# KiCad board armory.kicad_pcb (continued)
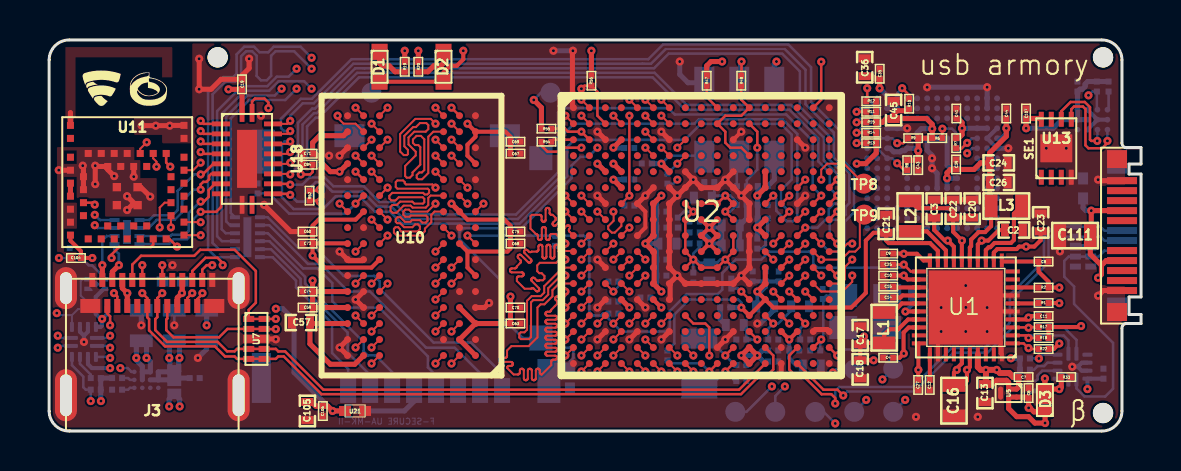
[diagram p0: board, top side]
## Routing (per net, layer and track width the routed paths; a pad name or vN(x,y) marks a point on that pad's centre or on a via; arc(x,y) is an arc through that point) (continued)
/DDR/DRAM_A9: length 34
  TOP w0.1: 19.22,15.38 v1(19.33,15.38) 19.09,15.62 18.32,15.62 17.56,14.86 17.56,13.99 17.74,13.81 17.9,13.81 17.95,13.86 17.95,14.07 17.77,14.25 17.77,14.77 18.21,15.21 18.35,15.21 18.55,15.41 18.87,15.41 18.97,15.31 18.97,15.11 18.84,14.98 18.27,14.98 17.98,14.69 17.98,14.34 18.34,13.98 18.34,13.79 17.81,13.26 17.81,12.76 17.89,12.68 18.05,12.68 18.18,12.81 18.18,12.94 18.57,13.33 18.57,14.21 18.47,14.31 18.31,14.31 18.2,14.42 18.2,14.59 18.38,14.77 18.6,14.77 18.77,14.6 18.77,13.06 18.65,12.94 18.52,12.94 18.39,12.81 18.39,12.67 18.46,12.6 18.66,12.6 18.97,12.91 18.97,14.73 19.22,14.98 U10.R3 ; U2.L2 v1(26.63,7.78)
  SIGNAL_2 w0.1: v1(19.33,15.38) U10.R3 22.67,14.98 22.8,14.85 22.8,13.34 24.08,12.06 24.08,11.4 25.27,10.21 27.01,10.21 27.41,9.81 27.41,9.02 27.49,8.94 27.58,8.94 27.79,8.73 27.79,8.41 27.58,8.2 27.13,8.2 26.71,7.78 v1(26.63,7.78)
/DDR/DRAM_A10: length 34
  TOP w0.1: U2.M4 v1(29.03,6.98) ; v1(16.93,12.18) U10.L7
  SIGNAL_2 w0.1: v1(16.93,12.18) 16.81,12.06 14.68,12.06 14.13,11.51 14.13,5.54 15.02,4.65 15.36,4.65 15.73,4.28 15.73,4.08 16.03,3.78 16.48,3.78 17.45,2.81 25.94,2.81 26.51,3.38 27.03,3.38 27.04,3.38 27.05,3.38 27.06,3.39 27.06,3.4 27.07,3.41 27.07,3.42 27.08,3.44 27.08,3.45 27.09,3.46 27.09,3.47 27.1,3.48 27.11,3.48 27.12,3.48 27.22,3.48 27.24,3.48 27.25,3.48 27.26,3.47 27.26,3.46 27.27,3.45 27.27,3.44 27.28,3.42 27.28,3.41 27.29,3.4 27.29,3.39 27.3,3.38 27.31,3.38 27.33,3.38 27.58,3.38 27.6,3.38 27.61,3.39 27.62,3.4 27.63,3.41 27.64,3.42 27.65,3.43 27.65,3.47 27.66,3.48 27.67,3.49 27.68,3.5 27.69,3.51 27.7,3.52 27.72,3.52 27.78,3.52 27.8,3.52 27.81,3.51 27.82,3.5 27.83,3.49 27.84,3.48 27.85,3.47 27.85,3.45 27.85,3.19 27.85,3.17 27.86,3.15 27.87,3.13 27.89,3.11 27.91,3.1 27.93,3.09 27.95,3.09 27.97,3.09 27.99,3.1 28.01,3.11 28.03,3.13 28.04,3.15 28.05,3.17 28.05,3.19 28.05,3.28 28.05,3.3 28.06,3.32 28.07,3.34 28.09,3.36 28.11,3.37 28.13,3.38 28.15,3.38 28.17,3.38 28.19,3.37 28.21,3.36 28.23,3.34 28.24,3.32 28.25,3.3 28.25,3.28 28.25,3.19 28.25,3.17 28.26,3.15 28.27,3.13 28.29,3.11 28.31,3.1 28.33,3.09 28.35,3.09 28.37,3.09 28.39,3.1 28.41,3.11 28.43,3.13 28.44,3.15 28.45,3.17 28.45,3.19 28.45,3.45 28.45,3.47 28.46,3.48 28.47,3.49 28.48,3.5 28.49,3.51 28.5,3.52 28.52,3.52 28.58,3.52 28.6,3.52 28.61,3.51 28.62,3.5 28.63,3.49 28.64,3.48 28.65,3.47 28.65,3.45 28.65,3.33 28.65,3.32 28.65,3.31 28.66,3.3 28.67,3.29 28.68,3.28 28.69,3.28 28.7,3.28 28.8,3.28 28.81,3.28 28.82,3.28 28.83,3.29 28.84,3.3 28.85,3.31 28.85,3.32 28.85,3.33 28.85,3.57 28.85,3.59 28.86,3.61 28.87,3.63 28.89,3.65 28.91,3.66 28.93,3.67 28.95,3.67 28.97,3.67 28.99,3.66 29.01,3.65 29.03,3.63 29.04,3.61 29.05,3.59 29.05,3.57 29.05,3.48 29.05,3.46 29.06,3.44 29.07,3.42 29.09,3.4 29.11,3.39 29.13,3.38 29.15,3.38 29.37,3.38 29.43,3.44 29.43,3.94 29.43,3.96 29.44,3.98 29.45,3.99 29.47,4.01 29.48,4.02 29.5,4.03 29.55,4.03 29.57,4.04 29.58,4.05 29.6,4.07 29.61,4.08 29.62,4.1 29.62,4.12 29.62,4.14 29.62,4.16 29.61,4.18 29.6,4.19 29.58,4.21 29.57,4.22 29.55,4.23 29.52,4.23 29.38,4.23 29.37,4.23 29.36,4.23 29.35,4.24 29.34,4.25 29.33,4.26 29.33,4.27 29.33,4.28 29.33,4.38 29.33,4.39 29.33,4.4 29.34,4.41 29.35,4.42 29.36,4.43 29.37,4.43 29.39,4.43 29.4,4.43 29.41,4.44 29.42,4.45 29.43,4.46 29.43,4.47 29.43,4.48 29.43,4.74 29.43,4.76 29.44,4.78 29.45,4.79 29.47,4.81 29.48,4.82 29.5,4.83 29.55,4.83 29.57,4.84 29.58,4.85 29.6,4.87 29.61,4.88 29.62,4.9 29.62,4.92 29.62,4.94 29.62,4.96 29.61,4.98 29.6,4.99 29.58,5.01 29.57,5.02 29.55,5.03 29.52,5.03 29.38,5.03 29.37,5.03 29.36,5.03 29.35,5.04 29.34,5.05 29.33,5.06 29.33,5.07 29.33,5.08 29.33,5.18 29.33,5.19 29.33,5.2 29.34,5.21 29.35,5.22 29.36,5.23 29.37,5.23 29.39,5.23 29.4,5.23 29.41,5.24 29.42,5.25 29.43,5.26 29.43,5.27 29.43,5.28 29.43,5.54 29.43,5.56 29.44,5.58 29.45,5.59 29.47,5.61 29.48,5.62 29.5,5.63 29.55,5.63 29.57,5.64 29.58,5.65 29.6,5.67 29.61,5.68 29.62,5.7 29.62,5.72 29.62,5.74 29.62,5.76 29.61,5.78 29.6,5.79 29.58,5.81 29.57,5.82 29.55,5.83 29.52,5.83 29.38,5.83 29.37,5.83 29.36,5.83 29.35,5.84 29.34,5.85 29.33,5.86 29.33,5.87 29.33,5.88 29.33,5.98 29.33,5.99 29.33,6 29.34,6.01 29.35,6.02 29.36,6.03 29.37,6.03 29.39,6.03 29.4,6.03 29.41,6.04 29.42,6.05 29.43,6.06 29.43,6.07 29.43,6.08 29.43,6.28 29.43,6.29 29.43,6.3 29.42,6.31 29.41,6.32 29.4,6.33 29.39,6.33 29.37,6.33 29.36,6.33 29.35,6.34 29.34,6.35 29.33,6.36 29.33,6.37 29.33,6.38 29.33,6.48 29.33,6.49 29.33,6.5 29.34,6.51 29.35,6.52 29.36,6.53 29.37,6.53 29.39,6.53 29.4,6.53 29.41,6.54 29.42,6.55 29.43,6.56 29.43,6.57 29.43,6.58 v1(29.03,6.98)
/DDR/DRAM_A11: length 34
  TOP w0.1: v1(28.23,9.38) U2.K3 ; U10.R7 v1(16.13,15.38)
  SIGNAL_2 w0.1: v1(28.23,9.38) 28.23,10.19 28.33,10.29 28.63,10.29 28.77,10.43 28.77,11.14 28.34,11.57 28.34,11.83 27.83,12.34 27.83,12.53 27.83,12.55 27.82,12.57 27.81,12.59 27.79,12.61 27.77,12.62 27.75,12.63 27.73,12.63 27.58,12.63 27.56,12.63 27.54,12.64 27.52,12.65 27.5,12.67 27.49,12.69 27.48,12.71 27.48,12.73 27.48,12.75 27.49,12.77 27.5,12.79 27.52,12.81 27.54,12.82 27.56,12.83 27.58,12.83 27.93,12.83 27.95,12.83 27.97,12.84 27.99,12.85 28.01,12.87 28.02,12.89 28.03,12.91 28.03,12.93 28.03,12.95 28.02,12.97 28.01,12.99 27.99,13.01 27.97,13.02 27.95,13.03 27.93,13.03 27.78,13.03 27.77,13.03 27.76,13.03 27.75,13.04 27.74,13.05 27.73,13.06 27.73,13.07 27.73,13.08 27.73,13.18 27.73,13.19 27.73,13.2 27.74,13.21 27.75,13.22 27.76,13.23 27.77,13.23 27.79,13.23 27.8,13.23 27.81,13.24 27.82,13.25 27.83,13.26 27.83,13.27 27.83,13.28 27.83,13.53 27.83,13.55 27.84,13.57 27.85,13.59 27.87,13.61 27.89,13.62 27.91,13.63 27.95,13.63 27.97,13.64 27.99,13.65 28.01,13.67 28.02,13.69 28.03,13.71 28.03,13.73 28.03,13.75 28.02,13.77 28.01,13.79 27.99,13.81 27.97,13.82 27.95,13.83 27.93,13.83 27.78,13.83 27.77,13.83 27.76,13.83 27.75,13.84 27.74,13.85 27.73,13.86 27.73,13.87 27.73,13.88 27.73,13.98 27.73,13.99 27.73,14 27.74,14.01 27.75,14.02 27.76,14.03 27.77,14.03 27.79,14.03 27.8,14.03 27.81,14.04 27.82,14.05 27.83,14.06 27.83,14.07 27.83,14.08 27.83,14.29 27.88,14.34 27.89,14.34 27.9,14.34 27.91,14.35 27.92,14.36 27.93,14.37 27.93,14.38 27.93,14.39 27.93,14.49 27.93,14.5 27.93,14.51 27.92,14.52 27.91,14.53 27.9,14.54 27.89,14.54 27.88,14.54 27.74,14.54 27.72,14.54 27.7,14.55 27.68,14.56 27.67,14.57 27.66,14.59 27.65,14.61 27.65,14.63 27.65,14.65 27.65,14.67 27.66,14.69 27.67,14.71 27.68,14.72 27.7,14.73 27.72,14.74 27.74,14.74 27.96,14.74 27.99,14.74 28.01,14.75 28.03,14.76 28.04,14.78 28.05,14.8 28.06,14.82 28.06,14.84 28.06,14.86 28.05,14.88 28.04,14.9 28.03,14.92 28.01,14.93 27.99,14.94 27.96,14.94 27.93,14.94 27.91,14.94 27.89,14.95 27.87,14.96 27.85,14.98 27.84,15 27.83,15.02 27.83,15.04 27.83,15.06 27.84,15.08 27.85,15.1 27.87,15.12 27.89,15.13 27.91,15.14 27.93,15.14 27.96,15.14 27.99,15.14 28.01,15.15 28.03,15.16 28.04,15.18 28.05,15.2 28.06,15.22 28.06,15.24 28.06,15.26 28.05,15.28 28.04,15.3 28.03,15.32 28.01,15.33 27.99,15.34 27.96,15.34 27.74,15.34 27.72,15.34 27.7,15.35 27.68,15.36 27.67,15.37 27.66,15.39 27.65,15.41 27.65,15.43 27.65,15.45 27.65,15.47 27.66,15.49 27.67,15.51 27.68,15.52 27.7,15.53 27.72,15.54 27.76,15.54 27.78,15.55 27.8,15.56 27.81,15.57 27.82,15.59 27.83,15.61 27.83,15.63 27.83,15.94 27.84,15.96 27.85,15.98 27.86,16 27.86,16.02 27.85,16.04 27.84,16.06 27.83,16.08 27.52,16.39 27.51,16.41 27.5,16.43 27.49,16.45 27.49,16.47 27.5,16.49 27.51,16.51 27.52,16.53 27.54,16.54 27.56,16.55 27.58,16.56 27.61,16.56 27.63,16.55 27.65,16.54 27.66,16.53 27.97,16.22 27.99,16.21 28.01,16.2 28.03,16.19 28.05,16.19 28.08,16.2 28.1,16.21 28.11,16.22 28.35,16.22 28.46,16.33 28.46,17.07 28.65,17.26 29.26,17.26 29.54,17.54 29.54,17.85 29.4,17.99 29.38,17.99 29.36,17.98 29.34,17.97 29.32,17.95 29.31,17.93 29.3,17.91 29.3,17.89 29.3,17.7 29.3,17.68 29.29,17.65 29.28,17.64 29.26,17.62 29.24,17.61 29.22,17.6 29.2,17.6 29.18,17.6 29.16,17.61 29.14,17.62 29.12,17.64 29.11,17.65 29.1,17.68 29.1,17.7 29.1,17.89 29.1,17.91 29.09,17.93 29.08,17.95 29.06,17.97 29.04,17.98 29.02,17.99 29,17.99 15.16,17.99 14.99,17.82 14.99,16.72 15.12,16.59 15.7,16.59 15.82,16.47 15.82,15.69 v1(16.13,15.38)
/DDR/DRAM_A12: length 34
  TOP w0.1: v1(16.13,13.78) U10.N7 ; U2.L4 v1(29.03,8.58)
  SIGNAL_2 w0.1: v1(16.13,13.78) 16.03,13.78 15.67,13.42 15.19,13.42 14.97,13.64 14.97,14.43 13.85,15.55 13.85,17.62 14.82,18.59 29.78,18.59 30.23,18.14 30.23,11.33 29.59,10.69 29.59,9.85 29.03,9.29 v1(29.03,8.58)
/DDR/DRAM_A13: length 34
  TOP w0.1: v1(19.33,16.18) U10.T3 ; U2.H3 v1(27.43,10.98)
  SIGNAL_2 w0.1: v1(27.43,10.98) 27.75,11.3 28.01,11.3 28.14,11.43 28.14,11.75 28.12,11.76 28.1,11.77 28.08,11.78 28.06,11.78 28.04,11.77 28.02,11.76 28,11.75 27.96,11.71 27.95,11.7 27.93,11.69 27.9,11.68 27.88,11.68 27.86,11.69 27.84,11.7 27.82,11.71 27.81,11.73 27.8,11.75 27.79,11.77 27.79,11.79 27.8,11.82 27.81,11.84 27.82,11.85 27.86,11.89 27.87,11.91 27.88,11.93 27.89,11.95 27.89,11.97 27.88,11.99 27.87,12.01 27.86,12.03 27.62,12.27 27.4,12.27 27.05,11.92 27.05,11.72 27.05,11.71 27.05,11.7 27.04,11.69 27.03,11.68 27.02,11.67 27.01,11.67 26.99,11.67 26.98,11.66 26.97,11.66 26.96,11.65 26.95,11.64 26.95,11.63 26.95,11.62 26.95,11.52 26.95,11.51 26.95,11.5 26.96,11.49 26.97,11.48 26.98,11.47 26.99,11.47 27,11.47 27.2,11.47 27.22,11.46 27.24,11.46 27.26,11.45 27.28,11.43 27.29,11.41 27.3,11.39 27.3,11.37 27.3,11.34 27.29,11.32 27.28,11.3 27.26,11.29 27.24,11.28 27.22,11.27 27.2,11.27 27.15,11.27 27.13,11.26 27.11,11.26 27.09,11.25 27.07,11.23 27.06,11.21 27.05,11.19 27.05,11.17 27.05,10.81 26.86,10.62 26.46,10.62 26.44,10.62 26.43,10.63 26.41,10.64 26.4,10.65 26.39,10.66 26.39,10.68 26.38,10.71 26.38,10.73 26.37,10.74 26.36,10.75 26.34,10.76 26.33,10.77 26.31,10.77 26.26,10.77 26.24,10.77 26.23,10.76 26.21,10.75 26.2,10.74 26.19,10.73 26.19,10.71 26.18,10.68 26.18,10.66 26.17,10.65 26.16,10.64 26.14,10.63 26.13,10.62 26.11,10.62 25.49,10.62 25.48,10.63 25.48,10.64 25.48,10.65 25.48,10.66 25.48,10.67 25.48,10.68 25.5,10.7 25.5,10.71 25.5,10.72 25.5,10.73 25.5,10.74 25.5,10.75 25.49,10.76 25.42,10.83 25.41,10.84 25.4,10.84 25.39,10.85 25.38,10.85 25.37,10.84 25.36,10.84 25.34,10.83 25.33,10.82 25.32,10.82 25.31,10.82 25.3,10.82 25.29,10.83 25.28,10.83 24.93,11.18 24.93,12.03 24.93,12.05 24.92,12.06 24.91,12.08 24.9,12.09 24.89,12.1 24.87,12.1 24.84,12.11 24.82,12.11 24.81,12.12 24.8,12.13 24.79,12.15 24.78,12.16 24.78,12.18 24.78,12.23 24.78,12.25 24.79,12.26 24.8,12.28 24.81,12.29 24.82,12.3 24.84,12.3 24.87,12.31 24.89,12.31 24.9,12.32 24.91,12.33 24.92,12.35 24.93,12.36 24.93,12.38 24.93,12.66 24.86,12.73 24.84,12.74 24.82,12.75 24.8,12.76 24.78,12.76 24.76,12.75 24.74,12.74 24.72,12.73 24.65,12.66 24.63,12.65 24.61,12.64 24.59,12.63 24.57,12.63 24.54,12.64 24.52,12.65 24.51,12.66 24.49,12.68 24.48,12.7 24.48,12.72 24.48,12.74 24.48,12.76 24.49,12.78 24.51,12.8 24.58,12.87 24.59,12.89 24.6,12.91 24.61,12.93 24.61,12.95 24.6,12.98 24.59,13 24.58,13.01 24.12,13.47 24.12,13.49 24.11,13.51 24.1,13.53 24.08,13.55 24.06,13.56 24.04,13.57 24,13.57 23.98,13.58 23.96,13.59 23.94,13.61 23.93,13.63 23.92,13.65 23.92,13.67 23.92,13.69 23.93,13.71 23.94,13.73 23.96,13.75 23.98,13.76 24,13.77 24.04,13.77 24.06,13.78 24.08,13.79 24.1,13.81 24.11,13.83 24.12,13.85 24.12,13.87 24.12,14.96 24.11,14.97 24.11,14.98 24.11,14.99 24.11,15 24.11,15.01 24.11,15.02 24.13,15.04 24.13,15.05 24.13,15.06 24.13,15.07 24.13,15.08 24.13,15.09 24.12,15.1 24.05,15.17 24.04,15.18 24.03,15.18 24.02,15.19 24.01,15.19 24,15.18 23.99,15.18 23.98,15.17 23.8,15 23.78,14.98 23.76,14.97 23.74,14.97 23.72,14.97 23.7,14.97 23.68,14.98 23.66,15 23.65,15.01 23.64,15.03 23.63,15.05 23.63,15.08 23.64,15.1 23.65,15.12 23.66,15.14 23.73,15.21 23.75,15.22 23.75,15.25 23.76,15.27 23.76,15.29 23.75,15.31 23.75,15.33 23.73,15.35 22.95,16.13 22.94,16.13 22.93,16.14 22.92,16.14 22.91,16.14 22.9,16.14 22.89,16.13 22.87,16.12 22.86,16.11 22.85,16.11 22.84,16.11 22.83,16.11 22.82,16.12 22.81,16.13 22.74,16.2 22.73,16.21 22.73,16.22 22.73,16.23 22.73,16.24 22.73,16.25 22.73,16.26 22.75,16.28 22.75,16.29 22.76,16.3 22.76,16.31 22.75,16.32 22.75,16.33 22.74,16.34 22.5,16.58 22.4,16.58 22.38,16.58 22.37,16.57 22.35,16.56 22.34,16.55 22.33,16.54 22.33,16.52 22.32,16.49 22.32,16.47 22.31,16.46 22.3,16.45 22.28,16.44 22.27,16.43 22.25,16.43 22.2,16.43 22.18,16.43 22.17,16.44 22.15,16.45 22.14,16.46 22.13,16.47 22.13,16.49 22.12,16.52 22.12,16.54 22.11,16.55 22.1,16.56 22.08,16.57 22.07,16.58 22.05,16.58 20.71,16.58 20.6,16.47 20.6,16.14 20.22,15.76 18.46,15.76 18.32,15.62 18.32,14.39 17.23,13.3 17.23,12.8 17,12.57 16.81,12.57 16.5,12.26 15.95,12.26 15.87,12.34 15.87,12.44 16.05,12.62 16.28,12.62 16.5,12.84 16.5,12.86 16.51,12.88 16.52,12.9 16.54,12.92 16.56,12.93 16.58,12.94 16.6,12.94 16.75,12.94 16.77,12.94 16.79,12.95 16.81,12.96 16.83,12.98 16.84,13 16.85,13.02 16.85,13.04 16.85,13.06 16.84,13.08 16.83,13.1 16.81,13.12 16.79,13.13 16.77,13.14 16.75,13.14 16.6,13.14 16.58,13.14 16.56,13.15 16.54,13.16 16.52,13.18 16.51,13.2 16.5,13.22 16.5,13.24 16.5,13.68 16.8,13.98 16.82,13.98 16.84,13.97 16.86,13.96 16.88,13.94 16.89,13.92 16.9,13.9 16.9,13.88 16.9,13.49 16.9,13.47 16.91,13.45 16.92,13.43 16.94,13.42 16.96,13.4 16.98,13.4 17,13.39 17.02,13.4 17.04,13.4 17.06,13.42 17.08,13.43 17.09,13.45 17.1,13.47 17.1,13.49 17.1,13.88 17.1,13.9 17.11,13.92 17.12,13.94 17.14,13.96 17.16,13.97 17.18,13.98 17.2,13.98 17.51,13.98 18.04,14.51 18.04,15.62 18.6,16.18 v1(19.33,16.18)
/DDR/DRAM_A14: length 34
  TOP w0.1: v1(25.83,11.78) U2.G1 ; U10.T7 v1(16.93,16.18)
  SIGNAL_2 w0.1: v1(25.83,11.78) 26.23,12.18 26.23,12.4 26.23,12.42 26.24,12.44 26.25,12.46 26.27,12.48 26.29,12.49 26.31,12.5 26.33,12.5 26.43,12.5 26.45,12.5 26.47,12.51 26.49,12.52 26.51,12.54 26.52,12.56 26.53,12.58 26.53,12.6 26.53,12.62 26.52,12.64 26.51,12.66 26.49,12.68 26.47,12.69 26.45,12.7 26.43,12.7 25.73,12.7 25.71,12.7 25.69,12.71 25.67,12.72 25.65,12.74 25.64,12.76 25.63,12.78 25.63,12.8 25.63,12.82 25.64,12.84 25.65,12.86 25.67,12.88 25.69,12.89 25.71,12.9 25.73,12.9 26.43,12.9 26.45,12.9 26.47,12.91 26.49,12.92 26.51,12.94 26.52,12.96 26.53,12.98 26.53,13 26.53,13.02 26.52,13.04 26.51,13.06 26.49,13.08 26.47,13.09 26.45,13.1 26.43,13.1 25.63,13.1 25.61,13.1 25.59,13.11 25.57,13.12 25.55,13.14 25.54,13.16 25.53,13.18 25.53,13.2 25.53,13.22 25.54,13.24 25.55,13.26 25.57,13.28 25.59,13.29 25.61,13.3 25.63,13.3 26.43,13.3 26.45,13.3 26.47,13.31 26.49,13.32 26.51,13.34 26.52,13.36 26.53,13.38 26.53,13.4 26.53,13.42 26.52,13.44 26.51,13.46 26.49,13.48 26.47,13.49 26.45,13.5 26.43,13.5 25.63,13.5 25.61,13.5 25.59,13.51 25.57,13.52 25.55,13.54 25.54,13.56 25.53,13.58 25.53,13.6 25.53,13.62 25.54,13.64 25.55,13.66 25.57,13.68 25.59,13.69 25.61,13.7 25.63,13.7 26.38,13.7 26.4,13.7 26.42,13.71 26.44,13.72 26.46,13.74 26.47,13.76 26.48,13.78 26.48,13.8 26.48,13.82 26.47,13.84 26.46,13.86 26.44,13.88 26.42,13.89 26.4,13.9 26.38,13.9 25.63,13.9 25.61,13.9 25.59,13.91 25.57,13.92 25.55,13.94 25.54,13.96 25.53,13.98 25.53,14 25.53,14.02 25.54,14.04 25.55,14.06 25.57,14.08 25.59,14.09 25.61,14.1 25.63,14.1 26.13,14.1 26.15,14.1 26.17,14.11 26.19,14.12 26.21,14.14 26.22,14.16 26.23,14.18 26.23,14.2 26.23,14.22 26.22,14.24 26.21,14.26 26.19,14.28 26.17,14.29 26.15,14.3 26.13,14.3 25.63,14.3 25.61,14.3 25.59,14.31 25.57,14.32 25.55,14.34 25.54,14.36 25.53,14.38 25.53,14.4 25.53,14.42 25.54,14.44 25.55,14.46 25.57,14.48 25.59,14.49 25.61,14.5 25.63,14.5 26.38,14.5 26.4,14.5 26.42,14.51 26.44,14.52 26.46,14.54 26.47,14.56 26.48,14.58 26.48,14.6 26.48,14.62 26.47,14.64 26.46,14.66 26.44,14.68 26.42,14.69 26.4,14.7 26.38,14.7 25.63,14.7 25.61,14.7 25.59,14.71 25.57,14.72 25.55,14.74 25.54,14.76 25.53,14.78 25.53,14.8 25.53,14.82 25.54,14.84 25.55,14.86 25.57,14.88 25.59,14.89 25.61,14.9 25.63,14.9 26.13,14.9 26.15,14.9 26.17,14.91 26.19,14.92 26.21,14.94 26.22,14.96 26.23,14.98 26.23,15 26.23,15.02 26.22,15.04 26.21,15.06 26.19,15.08 26.17,15.09 26.15,15.1 26.13,15.1 25.63,15.1 25.61,15.1 25.59,15.11 25.57,15.12 25.55,15.14 25.54,15.16 25.53,15.18 25.53,15.2 25.53,15.22 25.54,15.24 25.55,15.26 25.57,15.28 25.59,15.29 25.61,15.3 25.63,15.3 26.38,15.3 26.4,15.3 26.42,15.31 26.44,15.32 26.46,15.34 26.47,15.36 26.48,15.38 26.48,15.4 26.48,15.42 26.47,15.44 26.46,15.46 26.44,15.48 26.42,15.49 26.4,15.5 26.38,15.5 26.33,15.5 26.31,15.5 26.29,15.51 26.27,15.52 26.25,15.54 26.24,15.56 26.23,15.58 26.23,15.6 26.23,15.9 26.23,15.91 26.23,15.92 26.24,15.93 26.25,15.94 26.26,15.95 26.27,15.95 26.29,15.95 26.3,15.95 26.31,15.96 26.32,15.97 26.33,15.98 26.33,15.99 26.33,16 26.33,16.1 26.33,16.11 26.33,16.12 26.32,16.13 26.31,16.14 26.3,16.15 26.29,16.15 26.28,16.15 25.63,16.15 25.61,16.15 25.59,16.16 25.57,16.17 25.55,16.19 25.54,16.21 25.53,16.23 25.53,16.25 25.53,16.27 25.54,16.29 25.55,16.31 25.57,16.33 25.59,16.34 25.61,16.35 25.63,16.35 26.13,16.35 26.15,16.35 26.17,16.36 26.19,16.37 26.21,16.39 26.22,16.41 26.23,16.43 26.23,16.45 26.23,16.84 25.85,17.22 25.83,17.22 25.81,17.21 25.79,17.2 25.77,17.18 25.76,17.16 25.75,17.14 25.75,17.12 25.75,16.77 25.75,16.75 25.74,16.73 25.73,16.71 25.71,16.69 25.69,16.68 25.67,16.67 25.65,16.67 25.63,16.67 25.61,16.68 25.59,16.69 25.57,16.71 25.56,16.73 25.55,16.75 25.55,16.77 25.55,17.27 25.55,17.28 25.55,17.29 25.54,17.3 25.53,17.31 25.52,17.32 25.51,17.32 25.5,17.32 25.4,17.32 25.39,17.32 25.38,17.32 25.37,17.31 25.36,17.3 25.35,17.29 25.35,17.28 25.35,17.26 25.35,17.25 25.34,17.24 25.33,17.23 25.32,17.22 25.31,17.22 25.3,17.22 25.07,17.22 24.7,17.59 15.49,17.59 15.39,17.49 15.39,17.11 15.51,16.99 15.91,16.99 16.25,16.65 16.25,16.41 16.48,16.18 v1(16.93,16.18)
/DDR/DRAM_A15: length 34
  TOP w0.1: v1(16.13,12.98) U10.M7 ; U2.K5 v1(29.83,8.58)
  SIGNAL_2 w0.1: v1(16.13,12.98) 15.43,12.28 14.62,12.28 13.93,11.59 13.93,10.35 ; 13.93,10.2 13.93,10.35 ; 13.93,10.35 13.93,5.46 14.93,4.46 14.93,3.89 16.21,2.61 30,2.61 30.23,2.84 30.23,8.18 v1(29.83,8.58)
/DDR/DRAM_CAS_B: length 34
  TOP w0.1: v1(19.33,11.38) 18.93,10.98 18.1,10.98 18,11.08 17.82,11.08 17.72,10.98 17.72,10.82 17.82,10.72 18.03,10.72 18.09,10.78 18.86,10.78 18.93,10.71 18.93,10.52 18.84,10.43 18.67,10.43 18.55,10.55 18.15,10.55 18.07,10.47 17.8,10.47 17.57,10.7 17.43,10.7 17.34,10.61 17.34,10.47 17.41,10.4 17.56,10.4 17.76,10.2 18.17,10.2 18.31,10.34 18.45,10.34 18.55,10.24 18.55,10.1 18.44,9.99 17.61,9.99 17.55,10.05 17.55,10.11 17.46,10.2 17.33,10.2 17.25,10.12 17.25,9.93 17.4,9.78 18.58,9.78 18.8,10 18.8,10.13 19.12,10.45 19.12,10.82 19.28,10.98 U10.K3 19.69,10.98 ; U2.J2 v1(26.63,9.38)
  SIGNAL_2 w0.1: v1(19.33,11.38) 19.15,11.2 19.08,11.2 18.95,11.33 18.95,11.68 18.88,11.75 18.7,11.75 18.64,11.69 18.64,11.53 18.71,11.46 18.71,11.23 18.64,11.16 18.49,11.16 18.41,11.24 18.41,11.69 18.51,11.79 18.51,12.04 18.77,12.3 18.77,12.51 18.72,12.56 18.51,12.56 18.45,12.5 18.45,12.28 18.3,12.13 18.3,11.87 18.14,11.71 18.14,11.59 18.2,11.53 18.2,11.26 18.15,11.21 17.96,11.21 17.72,11.45 17.72,11.58 18.09,11.95 18.09,12.23 18.25,12.39 18.25,12.85 18.32,12.92 18.46,12.92 18.61,12.78 18.99,12.78 19.12,12.65 19.12,12.47 18.97,12.32 18.97,11.93 19.08,11.82 19.57,11.82 19.69,11.94 19.69,12.48 20.19,12.98 21.22,12.98 21.41,12.79 22.22,12.79 23.24,11.77 23.24,10.64 23.32,10.56 23.53,10.56 23.59,10.5 23.59,10.39 23.52,10.32 23.4,10.32 23.35,10.27 23.35,10.15 23.45,10.05 24.03,10.05 25.01,9.07 25.01,8.78 25.13,8.66 25.41,8.66 25.74,8.99 25.95,8.99 26.34,9.38 v1(26.63,9.38)
/DDR/DRAM_CS0_B: length 34
  TOP w0.1: v1(20.93,11.38) U10.L2 ; U2.N2 v1(26.63,6.18)
  SIGNAL_2 w0.1: 20.93,11.33 v1(20.93,11.38) 21.29,11.74 21.98,11.74 22.35,11.37 22.35,9.37 22.14,9.16 22.02,9.16 21.87,9.01 21.87,8.58 21.95,8.5 21.95,8.24 21.95,8.22 21.96,8.2 21.97,8.18 21.99,8.16 22.01,8.15 22.03,8.14 22.05,8.14 23.15,8.14 23.17,8.14 23.19,8.13 23.21,8.12 23.23,8.1 23.24,8.08 23.25,8.06 23.25,8.04 23.25,8.02 23.24,8 23.23,7.98 23.21,7.96 23.19,7.95 23.17,7.94 23.15,7.94 22.05,7.94 22.03,7.94 22.01,7.93 21.99,7.92 21.97,7.9 21.96,7.88 21.95,7.86 21.95,7.84 21.95,7.82 21.96,7.8 21.97,7.78 21.99,7.76 22.01,7.75 22.03,7.74 22.05,7.74 23.15,7.74 23.17,7.74 23.19,7.73 23.21,7.72 23.23,7.7 23.24,7.68 23.25,7.66 23.25,7.64 23.25,7.62 23.24,7.6 23.23,7.58 23.21,7.56 23.19,7.55 23.17,7.54 23.15,7.54 22.05,7.54 22.03,7.54 22.01,7.53 21.99,7.52 21.97,7.5 21.96,7.48 21.95,7.46 21.95,7.44 21.95,7.42 21.96,7.4 21.97,7.38 21.99,7.36 22.01,7.35 22.03,7.34 22.05,7.34 23.15,7.34 23.17,7.34 23.19,7.33 23.21,7.32 23.23,7.3 23.24,7.28 23.25,7.26 23.25,7.24 23.25,7.22 23.24,7.2 23.23,7.18 23.21,7.16 23.19,7.15 23.17,7.14 23.15,7.14 22.05,7.14 22.03,7.14 22.01,7.13 21.99,7.12 21.97,7.1 21.96,7.08 21.95,7.06 21.95,7.04 21.77,6.86 21.51,6.86 21.32,6.67 21.32,6.13 21.32,6.11 21.33,6.09 21.34,6.07 21.36,6.05 21.38,6.04 21.4,6.03 21.42,6.03 21.97,6.03 21.99,6.03 22.01,6.02 22.03,6.01 22.05,5.99 22.06,5.97 22.07,5.95 22.07,5.93 22.07,5.91 22.06,5.89 22.05,5.87 22.03,5.85 22.01,5.84 21.99,5.83 21.97,5.83 21.42,5.83 21.4,5.83 21.38,5.82 21.36,5.81 21.34,5.79 21.33,5.77 21.32,5.75 21.32,5.73 21.73,5.32 22.3,5.32 22.32,5.32 22.34,5.33 22.36,5.34 22.38,5.36 22.39,5.38 22.4,5.4 22.4,5.42 22.4,6.52 22.4,6.54 22.41,6.56 22.42,6.58 22.44,6.6 22.46,6.61 22.48,6.62 22.5,6.62 22.52,6.62 22.54,6.61 22.56,6.6 22.58,6.58 22.59,6.56 22.6,6.54 22.6,6.52 22.6,5.42 22.6,5.4 22.61,5.38 22.62,5.36 22.64,5.34 22.66,5.33 22.68,5.32 22.7,5.32 22.72,5.32 22.74,5.33 22.76,5.34 22.78,5.36 22.79,5.38 22.8,5.4 22.8,5.42 22.8,6.27 22.8,6.29 22.81,6.31 22.82,6.33 22.84,6.35 22.86,6.36 22.88,6.37 22.9,6.37 22.92,6.37 22.94,6.36 22.96,6.35 22.98,6.33 22.99,6.31 23,6.29 23,6.27 23,5.42 23,5.4 23.01,5.38 23.02,5.36 23.04,5.34 23.06,5.33 23.08,5.32 23.1,5.32 23.12,5.32 23.14,5.33 23.16,5.34 23.18,5.36 23.19,5.38 23.2,5.4 23.2,5.42 23.2,5.67 23.2,5.69 23.21,5.71 23.22,5.73 23.24,5.75 23.26,5.76 23.28,5.77 23.3,5.77 23.32,5.77 23.34,5.76 23.36,5.75 23.38,5.73 23.39,5.71 23.4,5.69 23.4,5.67 23.4,5.42 23.4,5.4 23.41,5.38 23.42,5.36 23.44,5.34 23.46,5.33 23.48,5.32 23.5,5.32 23.52,5.32 23.54,5.33 23.56,5.34 23.58,5.36 23.59,5.38 23.6,5.4 23.6,5.42 23.6,5.62 23.6,5.64 23.61,5.66 23.62,5.68 23.64,5.7 23.66,5.71 23.68,5.72 23.7,5.72 23.72,5.72 23.74,5.71 23.76,5.7 23.78,5.68 23.79,5.66 23.8,5.64 23.8,5.62 23.8,5.42 23.8,5.4 23.81,5.38 23.82,5.36 23.84,5.34 23.86,5.33 23.88,5.32 23.9,5.32 23.92,5.32 23.94,5.33 23.96,5.34 23.98,5.36 23.99,5.38 24,5.4 24,5.42 24,5.62 24,5.64 24.01,5.66 24.02,5.68 24.04,5.7 24.06,5.71 24.08,5.72 24.1,5.72 24.12,5.72 24.14,5.71 24.16,5.7 24.18,5.68 24.19,5.66 24.2,5.64 24.2,5.62 24.2,5.42 24.2,5.4 24.21,5.38 24.22,5.36 24.24,5.34 24.26,5.33 24.28,5.32 24.3,5.32 24.67,5.69 24.67,5.95 24.67,5.97 24.66,5.99 24.65,6.01 24.63,6.03 24.61,6.04 24.59,6.05 24.57,6.05 23.47,6.05 23.45,6.05 23.43,6.06 23.41,6.07 23.39,6.09 23.38,6.11 23.37,6.13 23.37,6.15 23.37,6.17 23.38,6.19 23.39,6.21 23.41,6.23 23.43,6.24 23.45,6.25 23.47,6.25 24.57,6.25 24.59,6.25 24.61,6.26 24.63,6.27 24.65,6.29 24.66,6.31 24.67,6.33 24.67,6.35 24.9,6.58 25.18,6.58 25.2,6.58 25.22,6.57 25.24,6.56 25.26,6.54 25.27,6.52 25.28,6.5 25.28,6.48 25.28,6.33 25.28,6.31 25.29,6.29 25.3,6.27 25.32,6.25 25.34,6.24 25.36,6.23 25.38,6.23 25.4,6.23 25.42,6.24 25.44,6.25 25.46,6.27 25.47,6.29 25.48,6.31 25.48,6.33 25.48,6.63 25.48,6.64 25.48,6.65 25.49,6.66 25.5,6.67 25.51,6.68 25.52,6.68 25.53,6.68 25.63,6.68 25.64,6.68 25.65,6.68 25.66,6.67 25.67,6.66 25.68,6.65 25.68,6.64 25.68,6.62 25.68,6.61 25.69,6.6 25.7,6.59 25.71,6.58 25.72,6.58 25.73,6.58 25.93,6.58 25.94,6.58 25.95,6.58 25.96,6.59 25.97,6.6 25.98,6.61 25.98,6.62 25.98,6.64 25.98,6.65 25.99,6.66 26,6.67 26.01,6.68 26.02,6.68 26.03,6.68 26.13,6.68 26.14,6.68 26.15,6.68 26.16,6.67 26.17,6.66 26.18,6.65 26.18,6.64 26.18,6.62 26.18,6.61 26.19,6.6 26.2,6.59 26.21,6.58 26.22,6.58 26.23,6.58 v1(26.63,6.18)
